# KiCad board RUSP_Mainboard_panelMockup.kicad_pcb (continued)
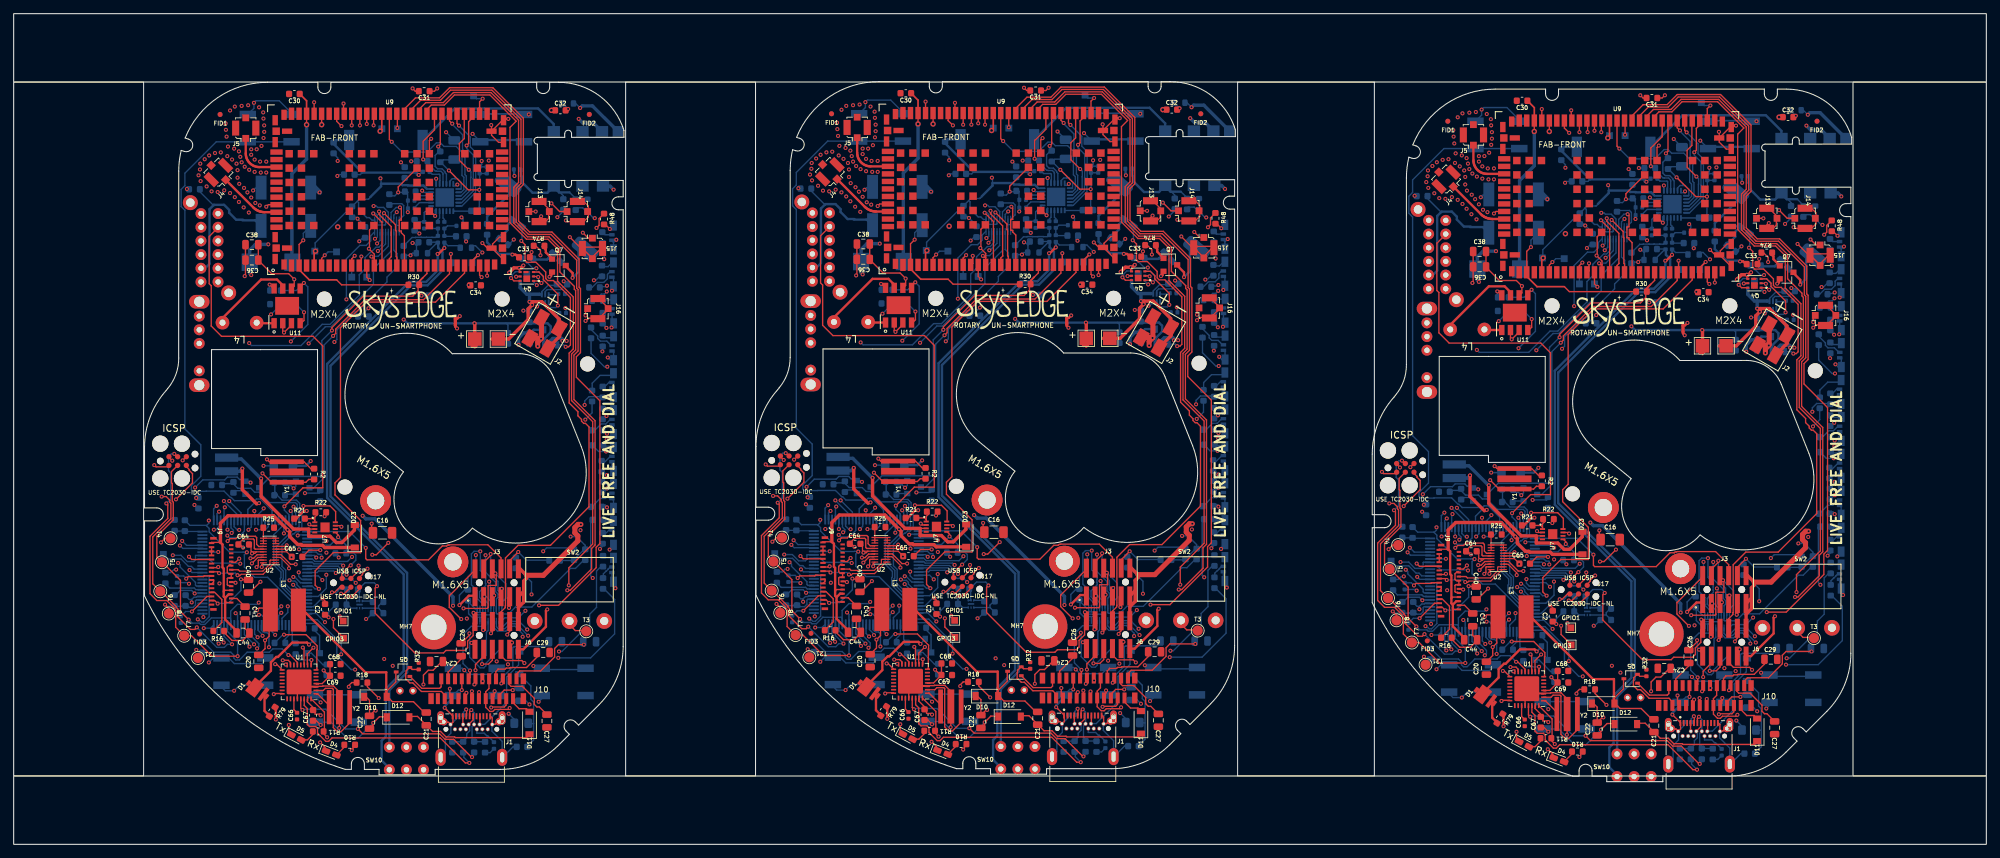
[diagram p0: board, top side]
## Routing (per net, layer and track width the routed paths; a pad name or vN(x,y) marks a point on that pad's centre or on a via; arc(x,y) is an arc through that point) (continued)
  L6_GND.Cu w0.25: 247.59,105.77 247.66,105.84 254.31,105.84 254.39,105.77 ; 68.04,106.76 68.12,106.84 74.76,106.84 74.84,106.76 ; 157.46,106.86 157.54,106.94 164.19,106.94 164.26,106.86
  L6_GND.Cu w0.35: v1(63.04,19.96) 63.05,19.97 63.05,20.22 64.04,21.21 ; v1(242.59,18.97) 242.59,18.97 242.59,19.23 243.59,20.22 ; v1(152.46,20.06) 152.47,20.07 152.47,20.32 153.46,21.32
  L6_GND.Cu w0.5: U5.2 78.54,73.69 78.84,73.99 80.14,73.99 80.26,73.86 v1(80.26,73.64) 80.26,73.64 v1(80.87,73.64) ; v1(170.3,73.74) 169.69,73.74 v1(169.68,73.74) 169.68,73.96 169.56,74.09 168.27,74.09 167.96,73.79 U5#3.2 ; U5#2.2 258.09,72.69 258.39,73 259.68,73 259.81,72.87 v1(259.81,72.64) 259.81,72.64 v1(260.42,72.64)
GNDA: length 244.7
  L1_GND+GNDA.Cu w0.2: 142.16,85.86 142.16,86.43 v1(141.37,87.22) 141.46,87.31 141.46,89.96 U9#3.121 ; 142.16,85.86 141.96,85.86 v1(141.75,86.08) ; 142.16,85.86 U9#3.13 ; 159.51,87.46 159.51,87.16 160.76,85.91 160.86,85.91 U9#3.30 ; U9.121 52.04,89.86 52.04,87.21 v1(51.95,87.12) 52.74,86.32 52.74,85.76 ; v1(241.49,109.57) 241.09,109.17 C31#2.2 ; v1(134.91,86.26) 134.46,85.81 U9#3.6 ; v1(165.16,86.72) 165.16,86.21 164.96,86.01 ; v1(150.48,103.3) 150.21,103.03 U9#3.136 ; v1(45.49,86.16) 45.04,85.71 U9.6 ; U9#2.129 235.79,95.17 v1(235.79,94.37) ; 240.46,91.44 240.66,91.44 v1(241.19,90.92) ; U9.136 60.79,102.93 v1(61.05,103.2) ; U9#3.152 159.31,105.26 v1(159.26,105.31) ; U9#3.152 161.04,106.14 ; U9#3.152 159.31,103.81 160.34,102.79 161.01,102.79 ; 126.06,106.15 v1(125.95,106.26) ; U9#2.30 250.99,84.82 250.89,84.82 249.64,86.07 249.64,86.37 ; U9#2.32 250.59,87.82 249.59,86.82 249.59,86.27 ; U9#2.121 231.59,88.87 231.59,86.21 v1(231.5,86.12) 232.29,85.33 232.29,84.77 ; C31.2 61.54,110.16 v1(61.94,110.56) ; v1(126.36,93.36) 126.66,93.66 U9#3.86 ; 249.44,103.32 249.44,104.17 v1(249.39,104.22) ; 249.44,103.32 251.16,105.04 ; 249.44,103.32 249.44,102.72 250.46,101.69 251.14,101.69 ; 249.44,86.22 248.83,86.22 v1(248.1,86.95) ; U9.32 71.04,88.81 70.04,87.81 70.04,87.26 ; v1(56.24,95.36) 56.24,96.16 U9.129 ; v1(231.87,84.98) 232.09,84.77 232.29,84.77 ; 213.74,94.17 v1(213.74,94.37) ; 255.09,84.92 255.28,85.11 v1(255.28,85.63) ; v1(151.06,92.01) 150.54,92.54 150.34,92.54 ; v1(151.36,110.66) 150.96,110.26 C31#3.2 ; U9.152 69.89,103.71 70.91,102.69 71.59,102.69 ; U9.152 71.62,106.04 ; U9.152 69.89,105.16 v1(69.84,105.21) ; 232.29,84.77 U9#2.13 ; 52.74,85.76 52.54,85.76 v1(52.32,85.98) ; 52.74,85.76 U9.13 ; U9#2.6 224.59,84.72 v1(225.04,85.17) ; U9#3.145 158.7,87.31 v1(157.97,88.05) ; U9#2.136 240.34,101.94 v1(240.6,102.2) ; U9.86 37.24,93.56 v1(36.94,93.26) ; U9#3.129 145.66,96.26 v1(145.66,95.46) ; 71.64,85.61 71.44,85.81 71.34,85.81 70.09,87.06 70.09,87.36 ; 36.64,106.05 v1(36.53,106.16) ; 60.91,92.44 61.12,92.44 v1(61.64,91.91) ; U9.145 69.28,87.21 v1(68.55,87.94) ; U9#2.86 216.79,92.57 v1(216.49,92.27) ; v1(75.73,86.62) 75.73,86.11 75.54,85.91 ; 123.61,95.26 v1(123.61,95.46) ; 159.46,87.36 159.46,87.91 160.46,88.91 U9#3.32 ; 34.19,95.16 v1(34.19,95.36) ; 216.19,105.06 v1(216.08,105.17)
  L1_GND+GNDA.Cu w0.35: 170.31,107.46 v1(170.51,107.66) ; U9.46 71.84,106.11 v1(72.34,106.11) ; v1(251.89,105.12) 251.39,105.12 U9#2.46 ; NT2.2 64.89,76.91 v1(65.24,77.26) ; NT2#2.2 154.31,77.01 v1(154.66,77.36) ; U9#3.46 161.26,106.21 v1(161.76,106.21) ; 260.44,106.37 v1(260.64,106.57) ; v1(244.79,76.27) 244.44,75.92 NT2#3.2 ; 80.89,107.36 v1(81.09,107.56)
  L6_GND.Cu w0.18: U10#2.15 144.21,87.6 ; U10#3.15 234.34,86.5 ; U10.15 54.79,87.5
  L6_GND.Cu w0.2: v1(59.74,95.61) 59.99,95.36 U12.5 ; 65.95,88.94 65.95,88.4 v1(66.16,88.19) ; 58.91,86.64 58.91,87.57 ; 58.91,87.57 59.47,88.12 ; 58.91,87.57 58.52,87.96 v1(58.34,87.96) ; 57.64,95.41 57.6,95.38 57.6,92.5 v1(57.64,92.46) ; 148.34,87.67 148.89,88.22 ; 148.34,87.67 148.34,86.74 ; 148.34,87.67 147.94,88.06 v1(147.76,88.06) ; 237.2,94.37 v1(235.79,94.37) 235.29,93.87 234.69,93.87 234.49,94.07 R33#3.2 ; v1(154.91,91.8) 155.15,91.57 R35#3.2 ; D18.2 259.83,107.38 v1(260.64,106.57) ; v1(81.09,107.56) 80.28,108.37 80.22,108.37 ; 82.34,93.1 83.23,93.1 83.64,92.69 ; U12#2.5 239.54,94.37 v1(239.29,94.62) ; 171.76,93.2 172.65,93.2 173.06,92.79 ; 54.79,87.5 53.3,86.01 52.36,86.01 v1(52.32,85.98) ; 67.01,87.56 67.54,87.56 v1(68.54,86.56) ; 148.06,90.18 148.75,89.49 v1(148.75,89.45) ; v1(51.89,78.41) 51.87,78.41 50.67,77.21 ; C39#3.2 229.63,90.73 v1(229.84,90.52) 230.94,89.42 C42#3.2 ; D18#2.2 169.7,108.47 v1(170.51,107.66) ; v1(237.19,91.47) 237.15,91.5 237.15,94.38 237.19,94.42 ; v1(245.04,90.71) 245.27,90.48 R35#2.2 ; 147.06,95.51 147.03,95.48 147.03,92.6 v1(147.06,92.56) ; D16.2 147.77,86.57 v1(147.46,86.26) 146.86,86.26 146.69,86.09 146.46,86.09 ; v1(141.75,86.08) 141.78,86.11 142.72,86.11 144.21,87.6 ; 238.46,85.64 238.46,86.57 ; 238.46,86.57 239.02,87.13 ; 238.46,86.57 238.07,86.97 v1(237.89,86.97) ; C49.2 57.26,85.99 57.44,86.16 v1(58.04,86.16) 58.34,86.47 D16#3.2 ; 246.56,86.57 247.09,86.57 v1(248.09,85.57) ; C60#2.2 169.81,92.71 v1(168.93,91.83) ; C60#3.2 259.94,91.62 v1(259.06,90.74) ; v1(136.81,100.06) 136.81,100.51 136.21,101.11 ; 47.19,86.66 45.99,86.66 v1(45.49,86.16) ; v1(61.64,91.91) 61.64,92.77 U12.24 ; v1(65.49,91.7) 65.72,91.47 65.72,90.46 ; v1(226.89,96.77) 227.09,96.97 C61#3.2 ; v1(157.96,86.66) 156.96,87.66 156.44,87.66 ; v1(155.59,88.29) 155.37,88.5 155.37,89.04 ; C42.2 51.39,90.41 v1(50.29,91.51) 50.08,91.72 C39.2 ; 83.74,92.66 84.81,91.59 v1(84.99,91.59) ; 46.79,101.01 47.39,100.41 v1(47.39,99.96) ; v1(134.91,86.26) 135.41,86.76 136.61,86.76 ; 140.09,77.31 141.29,78.51 v1(141.31,78.51) ; 234.34,86.5 232.85,85.02 231.91,85.02 v1(231.87,84.98) ; v1(47.34,97.76) 47.54,97.96 C61.2 ; D16#2.2 237.89,85.47 v1(237.59,85.17) 236.99,85.17 236.81,84.99 C49#3.2 ; U12#3.5 149.41,95.46 v1(149.16,95.71) ; C61#2.2 136.96,98.06 v1(136.76,97.86) ; v1(59.33,89.35) 59.33,89.39 58.64,90.08 ; 226.34,100.02 226.94,99.42 v1(226.94,98.97) ; v1(225.04,85.17) 225.54,85.67 226.74,85.67 ; 261.89,92.11 262.78,92.11 263.19,91.7 ; R33.2 54.94,95.06 55.14,94.86 55.74,94.86 v1(56.24,95.36) 57.66,95.36 ; 173.16,92.76 174.23,91.69 v1(174.41,91.69) ; v1(238.88,88.35) 238.88,88.39 238.19,89.08 ; 245.5,87.94 245.5,87.41 v1(245.71,87.19) ; C39#2.2 139.5,91.82 v1(139.71,91.61) 140.81,90.51 C42#2.2 ; R33#2.2 144.36,95.16 144.56,94.96 145.16,94.96 v1(145.66,95.46) 147.08,95.46 ; C60.2 80.39,92.61 v1(79.51,91.73) ; v1(231.44,77.42) 231.42,77.42 230.22,76.22 ; U12#2.24 241.19,91.78 v1(241.19,90.92) ; v1(151.06,92.01) 151.06,92.87 U12#3.24 ; v1(264.54,90.6) 264.36,90.6 263.29,91.67
  L6_GND.Cu w0.5: v1(214.29,82.27) 214.06,82.49 C35#2.2 214.06,85.92 214.91,86.77 v1(216.79,86.77) ; v1(34.74,83.26) 34.51,83.49 C35.2 34.51,86.92 35.36,87.76 v1(37.24,87.76) ; v1(126.66,87.86) 124.78,87.86 123.94,87.02 C35#3.2 123.94,83.59 v1(124.16,83.36)
  L6_GND.Cu w0.75: C37#2.2 223.59,95.07 v1(224.29,94.37) ; v1(134.16,95.46) 133.46,96.16 C37#3.2 ; C37.2 44.04,96.06 v1(44.74,95.36)
  vias: v1(27.04,97.86) v1(27.24,98.71) v1(27.29,99.56) v1(27.34,97.01) v1(27.94,100.21) v1(28.22,96.23) v1(28.59,100.76) v1(28.94,95.51) v1(29.44,101.11) v1(29.84,95.41) v1(30.29,101.21) v1(30.79,95.66) v1(30.99,105.46) v1(31.04,104.51) v1(31.14,103.51) v1(31.24,100.66) v1(31.34,102.06) v1(31.65,107.34) v1(31.64,95.26) v1(31.94,100.16) v1(32.24,101.76) v1(32.34,107.91) v1(32.34,94.66) v1(32.59,99.56) v1(32.74,98.61) v1(32.74,97.51) v1(32.94,101.36) v1(32.94,93.96) v1(32.99,96.61) v1(33.14,100.56) v1(33.34,108.01) v1(33.34,99.76) v1(33.64,93.16) v1(33.69,96.01) v1(33.79,99.11) v1(34.29,108.11) v1(34.44,98.66) v1(34.39,92.41) v1(34.74,101.66) v1(34.74,100.86) v1(34.74,94.61) v1(35.24,100.16) v1(35.24,98.36) v1(35.34,93.81) v1(35.54,101.66) v1(35.89,107.81) v1(36.04,99.86) v1(35.99,93.46) v1(36.14,98.26) v1(36.24,102.16) v1(36.49,107.06) v1(36.54,103.31) v1(36.64,105.16) v1(36.64,104.21) v1(36.94,99.86) v1(36.94,98.26) v1(116.46,97.96) v1(116.71,99.66) v1(116.66,98.81) v1(116.76,97.11) v1(117.36,100.31) v1(117.64,96.33) v1(118.01,100.86) v1(118.36,95.61) v1(118.86,101.21) v1(119.26,95.51) v1(119.71,101.31) v1(120.21,95.76) v1(120.41,105.56) v1(120.46,104.61) v1(120.56,103.61) v1(120.66,100.76) v1(120.76,102.16) v1(121.07,107.44) v1(121.06,95.36) v1(121.36,100.26) v1(121.66,101.86) v1(121.76,108.01) v1(121.76,94.76) v1(122.01,99.66) v1(122.16,98.71) v1(122.16,97.61) v1(122.36,101.46) v1(122.41,96.71) v1(122.36,94.06) v1(122.56,100.66) v1(122.76,108.11) v1(122.76,99.86) v1(123.11,96.11) v1(123.06,93.26) v1(123.21,99.21) v1(123.71,108.21) v1(123.81,92.51) v1(123.86,98.76) v1(124.16,101.76) v1(124.16,100.96) v1(124.16,94.71) v1(124.66,100.26) v1(124.66,98.46) v1(124.76,93.91) v1(124.96,101.76) v1(125.31,107.91) v1(125.41,93.56) v1(125.46,99.96) v1(125.56,98.36) v1(125.66,102.26) v1(125.91,107.16) v1(125.96,103.41) v1(126.06,105.26) v1(126.06,104.31) v1(126.36,99.96) v1(126.36,98.36) v1(206.59,96.87) v1(206.84,98.57) v1(206.79,97.72) v1(206.89,96.02) v1(207.49,99.22) v1(207.77,95.23) v1(208.14,99.77) v1(208.49,94.52) v1(208.99,100.12) v1(209.39,94.42) v1(209.84,100.22) v1(210.34,94.67) v1(210.54,104.47) v1(210.59,103.52) v1(210.69,102.52) v1(210.79,99.67) v1(210.89,101.07) v1(211.19,106.35) v1(211.19,94.27) v1(211.49,99.17) v1(211.79,100.77) v1(211.89,106.92) v1(211.89,93.67) v1(212.14,98.57) v1(212.29,97.62) v1(212.29,96.52) v1(212.49,100.37) v1(212.54,95.62) v1(212.49,92.97) v1(212.69,99.57) v1(212.89,107.02) v1(212.89,98.77) v1(213.24,95.02) v1(213.19,92.17) v1(213.34,98.12) v1(213.84,107.12) v1(213.94,91.42) v1(213.99,97.67) v1(214.29,100.67) v1(214.29,99.87) v1(214.29,93.62) v1(214.79,99.17) v1(214.79,97.37) v1(214.89,92.82) v1(215.09,100.67) v1(215.44,106.82) v1(215.54,92.47) v1(215.59,98.87) v1(215.69,97.27) v1(215.79,101.17) v1(216.04,106.07) v1(216.09,102.32) v1(216.19,104.17) v1(216.19,103.22) v1(216.49,98.87) v1(216.49,97.27) v2(47.39,90.31) v2(136.81,90.41) v2(226.94,89.32)
VBUS: length 375.2
  L1_GND+GNDA.Cu w0.2: v1(224.44,17.88) 224.27,18.05 223.64,18.05 223.64,18.73 222.49,19.88 222.49,20.27 ; 68.74,27.5 67.54,26.31 v1(67.54,25.46) ; v1(44.89,18.88) 44.72,19.05 44.09,19.05 44.09,19.72 42.94,20.87 42.94,21.26 ; v1(247.09,24.47) 247.09,25.31 248.28,26.51 ; 132.36,21.36 132.36,20.97 133.51,19.82 133.51,19.15 134.14,19.15 v1(134.31,18.98) ; 158.16,27.6 156.96,26.41 v1(156.96,25.56)
  L2_3v3+GNDA.Cu w0.2: v1(134.31,18.98) 139.17,18.98 141.14,20.94 143.08,20.94 143.1,20.96 147.64,20.96 150.34,23.66 153.62,23.66 153.99,24.03 157.09,24.03 157.31,23.81 ; 247.44,22.72 247.22,22.94 244.12,22.94 243.75,22.57 240.47,22.57 237.77,19.87 233.22,19.87 233.2,19.85 231.27,19.85 229.3,17.88 v1(224.44,17.88) ; 247.44,22.72 251.94,18.21 v1(251.94,18.11) ; 247.44,22.72 247.44,24.12 v1(247.09,24.47) ; 67.89,23.71 67.89,25.11 v1(67.54,25.46) ; 67.89,23.71 72.39,19.21 v1(72.39,19.1) ; 67.89,23.71 67.67,23.93 64.57,23.93 64.2,23.56 60.92,23.56 58.22,20.86 53.67,20.86 53.66,20.84 51.72,20.84 49.75,18.88 v1(44.89,18.88) ; v1(161.82,19.2) 161.82,19.31 157.31,23.81 ; 157.31,23.81 157.31,25.21 v1(156.96,25.56)
  L3_3v8+GNDA.Cu w0.2: v1(252.69,87.47) 254.64,85.52 254.64,83.44 254.44,83.24 254.44,78.14 254.64,77.94 254.64,73.32 v1(253.39,72.07) ; v1(73.14,88.46) 75.09,86.51 75.09,84.43 74.89,84.23 74.89,79.13 75.09,78.93 75.09,74.31 v1(73.84,73.06) ; v1(162.56,88.56) 164.51,86.61 164.51,84.53 164.31,84.34 164.31,79.23 164.51,79.04 164.51,74.41 v1(163.26,73.16)
  L4_GND.Cu w0.5: v1(253.39,72.07) 253.81,72.07 254.71,71.17 256.79,71.17 263.91,64.04 263.91,48.24 259.2,43.53 259.2,41.83 250.46,33.09 250.46,28.87 247.09,25.5 v1(247.09,24.47) ; v1(73.84,73.06) 74.26,73.06 75.16,72.16 77.24,72.16 84.36,65.04 84.36,49.23 79.65,44.52 79.65,42.83 70.91,34.09 70.91,29.87 67.54,26.5 v1(67.54,25.46) ; v1(156.96,25.56) 156.96,26.6 160.33,29.97 160.33,34.19 169.07,42.93 169.07,44.62 173.79,49.33 173.79,65.14 166.66,72.26 164.59,72.26 163.69,73.16 v1(163.26,73.16)
  L6_GND.Cu w0.2: v1(73.14,88.46) 72.39,87.71 R17.2 ; v1(251.94,18.11) 252.76,17.28 L1#2.2 ; v1(161.82,19.2) 162.64,18.38 L1#3.2 ; R17#3.2 251.94,86.72 v1(252.69,87.47) ; L1.2 73.22,18.28 v1(72.39,19.1) ; v1(162.56,88.56) 161.81,87.81 R17#2.2
  L6_GND.Cu w0.35: U5.4 76.04,75.26 75.49,74.71 ; 255.04,73.72 255.59,74.27 U5#2.4 ; U5#3.4 165.46,75.36 164.91,74.81
  L6_GND.Cu w0.5: C12.1 74.58,74.8 73.84,74.06 v1(73.84,73.06) ; v1(163.26,73.16) 163.26,74.16 164,74.9 C12#2.1 ; C12#3.1 254.13,73.8 253.39,73.07 v1(253.39,72.07)
+BATT: length 400.4
  L1_GND+GNDA.Cu w0.5: J6.12 73.81,34.65 74.59,35.42 74.59,38.51 74.99,38.91 74.99,39.35 74.04,40.3 J3.12 ; v1(246.94,75.22) 246.99,75.17 TP2#2.1 246.99,71.77 ; J3#3.12 163.46,40.4 164.41,39.45 164.41,39.01 164.01,38.61 164.01,35.52 163.24,34.75 J6#2.12 ; J3#2.12 253.59,39.3 254.54,38.35 254.54,37.92 254.14,37.52 254.14,34.43 253.36,33.65 J6#3.12 ; 156.86,73.46 156.76,73.36 157.06,73.06 ; 156.86,72.86 TP2.1 156.86,76.26 v1(156.81,76.31) ; 247.19,71.97 246.89,72.27 246.99,72.37 ; 247.14,72.92 247.39,72.67 246.59,71.87 ; J3#2.11 254.14,36.01 ; 67.44,72.76 TP2#3.1 67.44,76.16 v1(67.39,76.21) ; 67.04,72.86 67.84,73.66 67.59,73.91 ; 67.44,73.36 67.34,73.26 67.64,72.96 ; 156.46,72.96 157.26,73.76 157.01,74.01 ; J3#3.11 164.01,37.1 ; J3.11 74.59,37
  L1_GND+GNDA.Cu w0.75: v1(262.51,45.8) 262.08,45.8 261.62,45.33 261.62,44.56 262.06,44.12 262.06,43.39 257.02,38.35 254.54,38.35 ; 256.61,73.04 v1(256.69,72.97) 256.19,72.47 v1(256.19,71.87) ; 256.61,73.04 J2#3.2 ; 256.61,73.04 256.74,73.17 J2#3.2 ; 166.48,74.14 166.61,74.27 J2#2.2 ; 166.48,74.14 v1(166.56,74.06) 166.06,73.56 v1(166.06,72.96) ; 166.48,74.14 J2#2.2 ; v1(82.96,46.79) 82.53,46.79 82.07,46.33 82.07,45.56 82.51,45.12 82.51,44.38 77.47,39.35 74.99,39.35 ; 77.06,74.04 77.19,74.17 J2.2 ; 77.06,74.04 v1(77.14,73.96) 76.64,73.46 v1(76.64,72.86) ; 77.06,74.04 J2.2 ; 164.41,39.45 166.9,39.45 171.93,44.48 171.93,45.22 171.49,45.66 171.49,46.43 171.96,46.89 v1(172.38,46.89)
  L2_3v3+GNDA.Cu w0.35: 207.39,89.22 208.19,90.02 208.19,91.87 208.77,92.45 210.42,92.45 211.06,91.81 211.06,90.29 225.59,75.77 v1(236.59,75.77) ; 117.26,90.31 118.06,91.11 118.06,92.96 118.64,93.54 120.3,93.54 120.94,92.9 120.94,91.39 135.46,76.86 v1(146.46,76.86) ; v1(57.04,76.76) 46.04,76.76 31.52,91.29 31.52,92.8 30.88,93.44 29.22,93.44 28.64,92.86 28.64,91.01 27.84,90.21
  L5_3v8.Cu w0.75: v1(256.69,72.97) 256.69,71.27 264.02,63.93 264.02,47.31 v1(262.51,45.8) ; v1(77.14,73.96) 77.14,72.26 84.48,64.93 84.48,48.31 v1(82.96,46.79) ; v1(166.56,74.06) 166.56,72.36 173.9,65.03 173.9,48.41 v1(172.38,46.89) ; v1(166.06,72.96) 166.56,73.46 ; v1(256.19,71.87) 256.69,72.37 ; v1(76.64,72.86) 77.14,73.36
  L6_GND.Cu w0.2: 161.46,76.31 161.71,76.06 C13#3.2 ; C13.2 72.29,75.96 72.04,76.21 ; 251.59,75.22 251.84,74.97 C13#2.2
  L6_GND.Cu w0.35: v1(57.04,76.76) 57.59,76.21 v1(67.39,76.21) 78.08,76.21 78.54,75.75 78.54,74.89 77.59,73.94 U5.3 ; v1(236.59,75.77) 237.14,75.22 v1(246.94,75.22) 257.63,75.22 258.09,74.76 258.09,73.9 257.14,72.95 U5#2.3 ; v1(146.46,76.86) 147.01,76.31 v1(156.81,76.31) 167.5,76.31 167.96,75.85 167.96,74.99 167.01,74.04 U5#3.3
  L6_GND.Cu w0.5: 257.14,72.95 256.67,72.95 ; 256.67,72.95 v1(256.69,72.97) ; 256.67,72.95 256.19,72.47 v1(256.19,71.87) ; 166.54,74.04 v1(166.56,74.06) ; 166.54,74.04 167.01,74.04 ; 166.54,74.04 166.06,73.56 v1(166.06,72.96) ; 77.12,73.94 v1(77.14,73.96) ; 77.12,73.94 77.59,73.94 ; 77.12,73.94 76.64,73.46 v1(76.64,72.86)
/AREF: length 12.1
  L1_GND+GNDA.Cu w0.2: 225.09,33.87 225.09,34.59 v1(224.71,34.97) ; v1(45.16,35.96) 45.54,35.58 45.54,34.86 ; 134.96,34.96 134.96,35.68 v1(134.58,36.06)
  L6_GND.Cu w0.2: 42.89,34.76 43.84,34.76 45.04,35.96 v1(45.16,35.96) ; v1(224.71,34.97) 224.59,34.97 223.39,33.77 222.44,33.77 ; 132.31,34.86 133.26,34.86 134.46,36.06 v1(134.58,36.06)
/AUDIO/BLCK: length 49
  L1_GND+GNDA.Cu w0.2: 244.39,105.92 244.39,104.43 v1(244.68,104.13) ; 64.84,106.91 64.84,105.42 v1(65.13,105.13) ; v1(154.55,105.23) 154.26,105.52 154.26,107.01
  L6_GND.Cu w0.2: U12.18 65.54,93.36 67.54,95.36 67.54,97.25 67.57,97.28 67.57,101.23 66.79,102.01 66.79,103.47 v1(65.13,105.13) ; v1(154.55,105.23) 156.21,103.57 156.21,102.11 156.99,101.33 156.99,97.38 156.96,97.35 156.96,95.46 154.96,93.46 U12#3.18 ; U12#2.18 245.09,92.37 247.09,94.37 247.09,96.25 247.12,96.28 247.12,100.24 246.34,101.02 246.34,102.48 v1(244.68,104.13)
/AUDIO/LRCLK: length 46
  L1_GND+GNDA.Cu w0.2: 67.09,106.96 67.09,106.26 66.54,105.71 66.54,102.52 v1(66.24,102.22) ; v1(155.66,102.32) 155.96,102.62 155.96,105.81 156.51,106.36 156.51,107.06 ; 246.64,105.97 246.64,105.27 246.09,104.72 246.09,101.52 v1(245.79,101.22)
  L6_GND.Cu w0.2: U12#2.17 245.06,92.87 246.74,94.55 246.74,96.4 246.77,96.43 246.77,99.82 245.79,100.8 v1(245.79,101.22) ; v1(66.24,102.22) 66.24,101.79 67.22,100.81 67.22,97.42 67.19,97.39 67.19,95.54 65.51,93.86 U12.17 ; U12#3.17 154.93,93.96 156.61,95.64 156.61,97.49 156.64,97.52 156.64,100.91 155.66,101.89 v1(155.66,102.32)
/AUDIO/MCLK: length 69.9
  L1_GND+GNDA.Cu w0.2: U9.61 54.94,103.11 v1(55.29,102.76) ; v1(234.84,101.77) 234.49,102.11 234.49,105.87 ; v1(144.71,102.86) 144.36,103.21 U9#3.61
  L6_GND.Cu w0.2: U12#2.14 244.98,94.37 245.39,94.77 245.39,96.57 245.11,96.85 245.11,100.24 244.26,101.09 242.48,101.09 241.95,101.62 241.37,101.62 240.36,100.61 240.36,100.32 240.31,100.27 236.34,100.27 v1(234.84,101.77) ; U12#3.14 154.86,95.46 155.26,95.87 155.26,97.67 154.99,97.94 154.99,101.34 154.14,102.19 152.35,102.19 151.83,102.71 151.25,102.71 150.24,101.7 150.24,101.41 150.19,101.36 146.21,101.36 v1(144.71,102.86) ; v1(55.29,102.76) 56.79,101.26 60.77,101.26 60.81,101.31 60.81,101.6 61.83,102.61 62.4,102.61 62.93,102.09 64.72,102.09 65.57,101.24 65.57,97.84 65.84,97.57 65.84,95.77 65.43,95.36 U12.14
/AUDIO/SCL: length 37.2
  L1_GND+GNDA.Cu w0.2: v1(62.09,102.06) 62.39,102.36 62.39,106.71 62.74,107.06 ; v1(151.51,102.16) 151.81,102.46 151.81,106.81 152.16,107.16 ; v1(241.64,101.07) 241.94,101.37 241.94,105.72 242.29,106.07
  L6_GND.Cu w0.2: U12.10 63.29,98.04 63.11,98.21 63.11,98.33 62.64,98.81 62,98.81 61.64,99.17 61.64,100.76 62.24,101.36 ; 241.79,100.37 241.19,99.77 241.19,98.17 241.55,97.81 242.19,97.81 242.66,97.34 242.66,97.22 242.84,97.04 U12#2.10 ; 241.94,100.42 241.94,100.77 v1(241.64,101.07) ; v1(151.51,102.16) 151.81,101.86 151.81,101.51 ; U12#3.10 152.71,98.14 152.54,98.31 152.54,98.43 152.06,98.91 151.42,98.91 151.06,99.27 151.06,100.86 151.66,101.46 ; 62.39,101.41 62.39,101.76 v1(62.09,102.06)
/AUDIO/SDA: length 38.3
  L1_GND+GNDA.Cu w0.2: 241.09,105.87 241.09,103.5 239.44,101.85 v1(239.44,99.18) ; v1(59.89,100.18) 59.89,102.85 61.54,104.5 U9.55 ; U9#3.55 150.96,104.6 149.31,102.95 v1(149.31,100.28)
  L6_GND.Cu w0.2: U12.9 62.79,98.04 62.76,98.07 62.76,98.19 62.5,98.46 61.86,98.46 61.83,98.49 61.65,98.49 60.84,99.3 60.84,99.36 ; R36.2 60.16,99.91 v1(59.89,100.18) ; 240.39,98.37 240.39,98.3 241.2,97.49 241.38,97.49 241.41,97.46 242.04,97.46 242.31,97.19 242.31,97.07 242.34,97.05 U12#2.9 ; 150.25,99.46 150.25,99.78 ; v1(239.44,99.18) 239.71,98.92 R36#2.2 ; 240.37,98.37 240.37,98.68 ; U12#3.9 152.21,98.14 152.19,98.17 152.19,98.29 151.92,98.56 151.28,98.56 151.25,98.59 151.07,98.59 150.26,99.4 150.26,99.46 ; v1(149.31,100.28) 149.58,100.01 R36#3.2 ; 60.82,99.36 60.82,99.68
/AUDIO/SDIN: length 44.9
  L1_GND+GNDA.Cu w0.2: v1(155.97,98.77) 154.61,100.13 154.61,102.63 155.31,103.33 155.31,107.11 ; v1(246.1,97.68) 244.74,99.04 244.74,101.53 245.44,102.23 245.44,106.02 ; 65.89,107.01 65.89,103.23 65.19,102.53 65.19,100.03 v1(66.55,98.67)
  L6_GND.Cu w0.2: U12#2.16 245.04,93.37 246.39,94.72 246.39,96.54 246.42,96.57 246.42,97.36 v1(246.1,97.68) ; U12#3.16 154.91,94.46 156.26,95.82 156.26,97.64 156.29,97.67 156.29,98.45 v1(155.97,98.77) ; U12.16 65.49,94.36 66.84,95.71 66.84,97.54 66.87,97.57 66.87,98.35 v1(66.55,98.67)
/AUDIO/SDOUT: length 42.1
  L1_GND+GNDA.Cu w0.2: v1(64.14,105.41) 63.74,105.81 U9.53 ; U9#3.53 153.16,105.91 v1(153.56,105.51) ; 243.29,105.87 243.29,104.82 v1(243.69,104.42)
  L6_GND.Cu w0.2: v1(153.56,105.51) 153.56,105.41 155.06,103.91 155.06,101.76 155.42,101.4 155.42,98.05 155.61,97.86 155.61,95.72 154.86,94.96 U12#3.15 ; U12#2.15 244.98,93.87 245.74,94.62 245.74,96.77 245.55,96.96 245.55,100.3 245.19,100.66 245.19,102.81 243.69,104.31 v1(243.69,104.42) ; U12.15 65.43,94.86 66.19,95.62 66.19,97.76 66,97.95 66,101.29 65.64,101.66 65.64,103.81 64.14,105.31 v1(64.14,105.41)
/CELL MODEM/ANT1: length 23.5
  L1_GND+GNDA.Cu w0.35: U9.81 35.94,99.06 35.74,99.07 35.55,99.1 35.36,99.15 35.17,99.21 35,99.3 34.83,99.4 34.67,99.51 34.53,99.65 34.39,99.79 34.28,99.95 34.18,100.12 34.09,100.3 34.03,100.48 33.98,100.67 33.95,100.86 33.94,101.06 J5.1 ; J5#3.1 123.36,101.16 123.37,100.97 123.4,100.77 123.45,100.58 123.51,100.4 123.6,100.22 123.7,100.05 123.82,99.89 123.95,99.75 124.09,99.62 124.25,99.5 124.42,99.4 124.6,99.31 124.78,99.25 124.97,99.2 125.17,99.17 125.36,99.16 U9#3.81 ; U9#2.81 215.49,98.07 215.29,98.08 215.1,98.11 214.91,98.15 214.72,98.22 214.55,98.3 214.38,98.4 214.22,98.52 214.07,98.65 213.94,98.8 213.83,98.96 213.73,99.12 213.64,99.3 213.58,99.49 213.53,99.68 213.5,99.87 213.49,100.07 J5#2.1
